# Altium PCB CameraControler0.3.PcbDoc (part 2 of 2)
Units mil, origin at the board's own origin, x right, y up, seen from the top; angles counter-clockwise.
Board outline 5511.81 x 4409.45 mil, 2 copper layers (Top Layer, Bottom Layer); 294 components, 222 nets, 919 pads, 79 vias.
Unrouted connection lines stored in the file: 495.
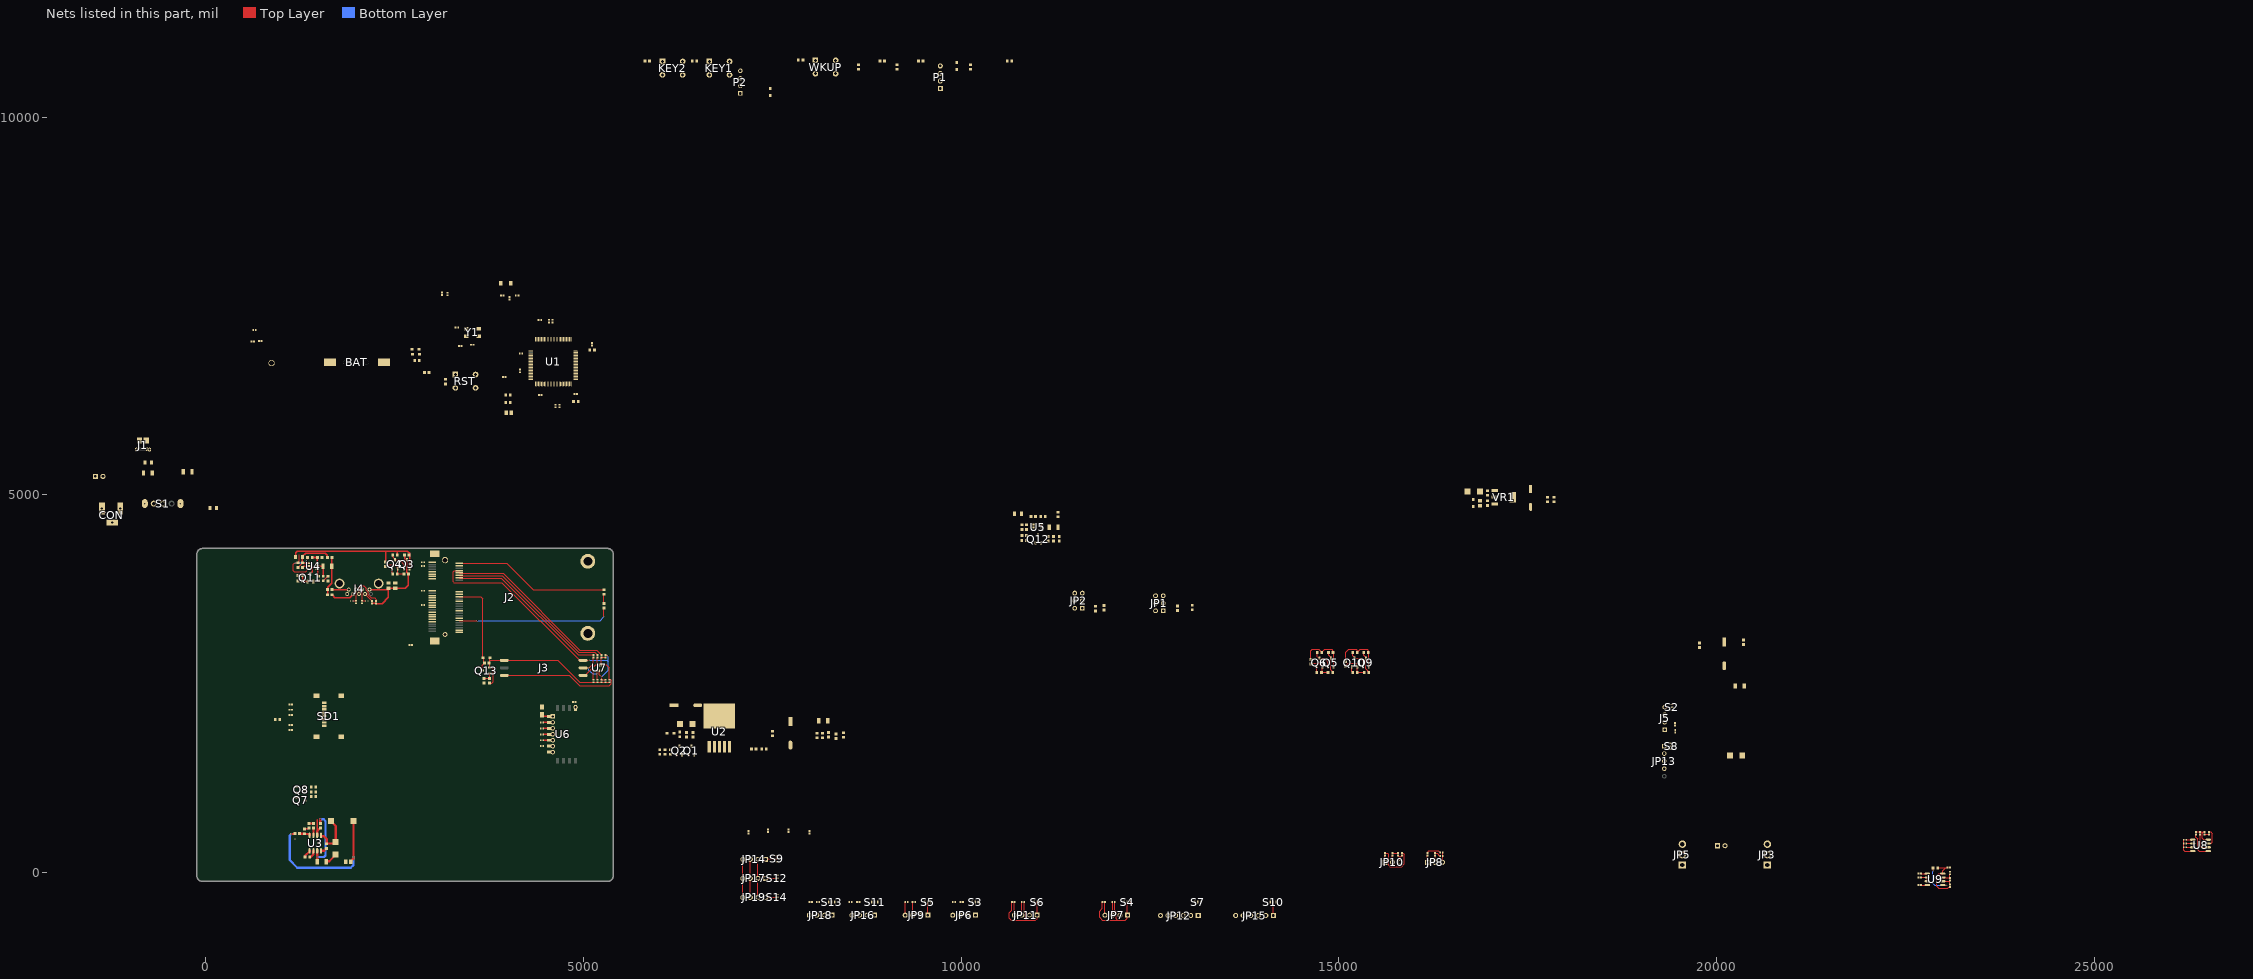
[diagram p2: the nets of this part, all layers, seen from the top]

## Part data
C1 C7 C9 C18 C19 C20 C24 C26 C31 C40 C43 C45 C53: library part "Cap 0603 100nF (104) 10% 50V", "贴片电容", Package=0603, SuppliersPartNumber=C14663, ComponentLink1Description=供应商链接, ComponentLink1URL=http://www.szlcsc.com/product/details_15331.html, Supplier=LC
C2 C5 C16 C17: library part "Cap 0402 22pF (220) 5% 50V", "贴片电容", Package=0402, SuppliersPartNumber=C1555, ComponentLink1Description=供应商链接, ComponentLink1URL=http://www.szlcsc.com/product/details_1907.html, Supplier=LC
C3 C4: library part "Cap 0603 2.2uF (225) 10% 16V", "贴片电容", Package=0603, SuppliersPartNumber=C23630, ComponentLink1Description=供应商链接, ComponentLink1URL=http://www.szlcsc.com/product/details_24366.html, Supplier=LC
C6 C10 C11 C12 C13 C14 C15 C50 C54: library part "Cap 0402 100nF (104) 10% 16V", "贴片电容", Package=0402, SuppliersPartNumber=C1525, ComponentLink1URL=http://www.szlcsc.com/product/details_1877.html, Supplier=LC
  C6 C10 C11 C12 C13 C14 C15: ComponentLink1Description=供应商链接
  C50 C54: ComponentLink1Description=供应商
C8 C22 C51: library part "Cap 0805 10uF (106) 10% 25V", "贴片电容", Package=0805, SuppliersPartNumber=C15850, ComponentLink1Description=供应商链接, ComponentLink1URL=http://www.szlcsc.com/product/details_16532.html, Supplier=LC
C21: library part "Cap+ CT6.3*5.4 220uF/16V", "电解电容"
C23 C25 C34: library part "Cap+ CT8*10.2 470uF/16V", "电解电容"
C27: library part "Cap 0603 10pF (100) 5% 50V", "贴片电容", Package=0603, SuppliersPartNumber=C1634, ComponentLink1Description=供应商链接, ComponentLink1URL=http://www.szlcsc.com/product/details_1986.html, Supplier=LC
C28: library part "Cap 0603 33pF (330) 5% 50V", "贴片电容", Package=0603, SuppliersPartNumber=C1663, ComponentLink1Description=供应商链接, ComponentLink1URL=http://www.szlcsc.com/product/details_2015.html, Supplier=LC
C29 C30 C32 C36 C38 C41: library part "Cap 0603 1uF (105) 10% 50V", "贴片电容", Package=0603, SuppliersPartNumber=C15849, ComponentLink1Description=供应商链接, ComponentLink1URL=http://www.szlcsc.com/product/details_16531.html, Supplier=LC
C33: library part "Cap 1206 10uF (106) 10% 50V", "贴片电容", Package=1206, SuppliersPartNumber=C13585, ComponentLink1Description=供应商链接, ComponentLink1URL=http://www.szlcsc.com/product/details_14236.html, Supplier=LC
C35: library part "Cap 0805 22uF (226) 20% 25V", "贴片电容", Package=0805, SuppliersPartNumber=C45783, ComponentLink1Description=供应商链接, ComponentLink1URL=http://www.szlcsc.com/product/details_46786.html, Supplier=LC
C37: library part "Cap 0603 220pF (221) 10% 50V", "贴片电容", Package=0603, SuppliersPartNumber=C1603, ComponentLink1Description=供应商链接, ComponentLink1URL=http://www.szlcsc.com/product/details_1955.html, Supplier=LC
C39 C42: library part "Cap 0603 1nF (102) 10% 50V", "贴片电容", Package=0603, SuppliersPartNumber=C1588, ComponentLink1Description=供应商链接, ComponentLink1URL=http://www.szlcsc.com/product/details_1940.html, Supplier=LC
C44: library part "3216 10uF (106) 10% 16V", "钽电容", Package=3216, SuppliersPartNumber=C7171, ComponentLink1Description=供应商链接, ComponentLink1URL=http://www.szlcsc.com/product/details_7643.html, Supplier=LC
C46 C47 C48 C49: library part "Cap 0402 33pF (330) 5% 50V", "贴片电容", Package=0402, SuppliersPartNumber=C1562, ComponentLink1Description=供应商链接, ComponentLink1URL=http://www.szlcsc.com/product/details_1914.html, Supplier=LC
C52: library part "Cap 0805 100nF(104) 10% 50V", "贴片电容", Package=0805, SuppliersPartNumber=C49678, ComponentLink1Description=供应商链接, ComponentLink1URL=http://www.szlcsc.com/product/details_50686.html, Supplier=LC
CON: library part PWR-DC, "低压电源接口", BOM名称=DC电源接口, 学习资源=www.ooocke.com, 版权归属=源创客
D1 D2 D3 D4: library part "DIO SOD-323 1N4148WS T4", "二极管", Package=SOD-323, SuppliersPartNumber=C2128, ComponentLink1Description=供应商链接, ComponentLink1URL=http://www.szlcsc.com/product/details_2485.html, Supplier=LC
D5 D7 D10: library part "SMA(DO-214AC) B350A", "Schottky Diodes", Package=SMA(DO-214AC), ComponentLink1Description=供应商链接, ComponentLink1URL=http://www.szlcsc.com/product/details_2841.html
D6 D9: library part "SOD-323 SD24C", "TVS; ESD 抑制器/TVS 二极管", Package=SMB/DO-214AA, SuppliersPartNumber=C78395, ComponentLink1Description=供应商链接, ComponentLink1URL=http://www.szlcsc.com/product/details_79530.html, Supplier=LC
D11: library part "SMA(DO-214AC) SS34", "SMA(DO-214AC) SS34, D Schottky"
D13: library part "SOD-323 LESD3Z5.0T1G", "TVS/ESD, SOD-323, 5V", Package=SMB/DO-214AA, SuppliersPartNumber=C78395, ComponentLink1Description=供应商链接, ComponentLink1URL=http://www.szlcsc.com/product/details_79530.html, Supplier=LC
D14 D15: library part "SOD-923 ESD9L5.0ST5G", "Transient Voltage Suppressor, ESD Protection Diode with Ultra-Low Capacitance, 2-Pin SOD-923, Pb-Free, Tape and Reel, CMP-1063-00114-1", Manufacturer="On Semiconductor", C Max (pF)=0.9, ComponentLink1Description="Manufacturer URL", ComponentLink1URL=http://www.onsemi.com/, ComponentLink2Description=Datasheet, ComponentLink2URL=http://www.onsemi.cn/pub_link/Collateral/ESD9L-D.PDF, ComponentLink3Description="Package Specification", ComponentLink3URL=http://www.onsemi.com/pub_link/Collateral/514AB.PDF, DatasheetVersion="Rev. 5", Direction=Unidirectional, IR Max (uA)=1, Mounting Technology="Surface Mount", Number of Lines=1, PackageDescription="2-Pin SOD, Body 0.8 x 0.6 mm", PackageReference=SOD-923-2-514AB-01, PackageVersion="Rev. C, 03/2011", Packing="Tape and Reel", PartNumber=ESD9L5.0ST5G, RoHS=Pb-Free, V(BR) Min (V)=5.4, VRWM Max (V)=5
F1 F4 F5: library part "FU PPTC MSMD 5V 2A", "自恢复保险丝", BOM名称=贴片保险丝, 学习资源=www.ooocke.com, 版权归属=源创客
F3: library part "FU PPTC MSMD 5V 3A", "自恢复保险丝", BOM名称=贴片保险丝, 学习资源=www.ooocke.com, 版权归属=源创客
J1: library part "MicroUSB MOLX-47589-0001", "Right Angle Female Type AB Micro USB Connector, 30 V, 1.8 A, -30 to 85 degC, RoHS, Tape and Reel", Contact Resistance=30mOhm, Manufacturer="Wurth Elektronik", Operating Temperature=-40to85degC, Package Reference=629105150921, Rated Current=1.8A, Working Voltage=30VAC, Connector Type=MicroUSB2.0TypeAB, Datasheet URL=https://katalog.we-online.de/em/datasheet/629105150921.pdf, Gender=Receptacle, Manufacturer URL=http://www.we-online.de, Mounting Technology=SMT, Orientation=Horizontal, Packaging=TapeandReel, Part Number=629105150921, Publisher=WurthElektronik
J2: library part PCIE-Mini, "Female Header, Pitch 0.8 mm, 2 x 26 Position, Height 9.9 mm, -40 to 85 degC, RoHS, Tape and Reel, CMP-2000-05614-1, 48338-0099", Manufacturer=Molex, Package Description="52-Pin Surface Mount Device, Body 30 x 9.3 mm, Pitch 0.8 mm", Package Reference=48338-0099, =0483380099, Brand=Molex, Contact Material=CopperAlloy, Contact Plating=Gold, Datasheet URL=http://www.molex.com/pdm_docs/sd/483380099_sd.pdf, Datasheet Version="Rev. F, 06/2009", Factory Pack Quantity=300, Housing Material=Thermoplastic, Manufacturer URL=http://www.molex.com/, Mounting Angle=Right, Mounting Style=SMD/SMT, Mounting Technology=SurfaceMount, Number of Positions=52, Number of Positions / Contacts=52, Packaging=Reel, Product Category=PCIExpress/PCIConnectors, Product Type=MiniPCI, RoHS=Details, Series=48338
J3: library part "SIM Card MUP", "MUP, 6P", Manufacturer="Wurth Elektronik", Operating Temperature=-25to85degC, Package Reference=693010020611, Rated Current=0.5A, Withstanding Voltage=500VAC, Working Voltage=50VAC, Datasheet URL=https://katalog.we-online.de/em/datasheet/693010020611.pdf, Manufacturer URL=http://www.we-online.de, Mounting Technology=SMT, Packaging=TapeandReel, Part Number=693010020611, Publisher=WurthElektronik, Taobao=https://item.taobao.com/item.htm?spm=a230r.1.14.37.7dfabe7eHV2uMn&id=550214241835&ns=1&abbucket=6#detail
J4: library part "USB 3.0 Type A", "USB 3.0 Type A Receptacle WR-COM, Horizontal, THT", Contact Resistance=50mOhm, Manufacturer="Wurth Elektronik", Operating Temperature=-20to85degC, Package Reference=692121030100, Rated Current=0.25A, Working Voltage=30VAC, Connector Type=USB3.0TypeA, Datasheet URL=https://katalog.we-online.de/em/datasheet/692121030100.pdf, Gender=Receptacle, Manufacturer URL=http://www.we-online.de, Mounting Technology=THT, Orientation=Horizontal, Packaging=TapeandReel, Part Number=692121030100, Publisher=WurthElektronik
J5: library part "HDR-4P OLED 0.91", "Header, 4-Pin", LatestRevisionDate=17-Jul-2002, LatestRevisionNote="Re-released for DXP Platform.", Publisher="Altium Limited"
JP1 JP2: library part "Header HDR-2X3", "3*2P接插件", BOM名称=3*2P接插件, 学习资源=www.ooocke.com, 版权归属=源创客
JP3 JP5 JP8 JP10: library part "Header HDR-1X3", "3P接插件", BOM名称=3P接插件, 学习资源=www.ooocke.com, 版权归属=源创客
JP4 JP20: library part "Header XH-2.56-2P", "Male Header, Pitch 2.5 mm, 1 x 2 Position, Height 7 mm, Tail Length 3.4 mm, -25 to 85 degC, RoHS, Bulk", Manufacturer=JST, Package Description="Male Header, Pitch 2.5 mm, 1 x 2 Position, Height 7 mm, Tail Length 3.4 mm", Package Reference=B2B-XH-A, Datasheet URL=http://www.jst-mfg.com/product/pdf/eng/eXH.pdf, Datasheet Version=05/2016, Manufacturer URL=http://www.jst.com/home2.html, Mounting Technology=ThroughHole, No of Positions=2, Pitch=2.5mm, Style/Orientation=StraightHeader/Plug, Termination=Crimp, Type=ShroudedHeader
JP6 JP7 JP9 JP11 JP14 JP16 JP17 JP18 JP19 P1: library part "Header XH-2.56-4P", "Male Header, Pitch 2.5 mm, 1 x 4 Position, Height 7 mm, Tail Length 8.4 mm, -25 to 85 degC, RoHS, Bulk", Manufacturer=JST, Package Description="Male Header, Pitch 2.5 mm, 1 x 2 Position, Height 7 mm, Tail Length 3.4 mm", Package Reference=B2B-XH-A, Datasheet URL=http://www.jst-mfg.com/product/pdf/eng/eXH.pdf, Datasheet Version=05/2016, Manufacturer URL=http://www.jst.com/home2.html, Mounting Technology=ThroughHole, No of Positions=2, Pitch=2.5mm, Style/Orientation=StraightHeader/Plug, Termination=Crimp, Type=ShroudedHeader
JP12 JP15: library part "Header XH-2.56-6P", "Male Header, Pitch 2.5 mm, 1 x 4 Position, Height 7 mm, Tail Length 8.4 mm, -25 to 85 degC, RoHS, Bulk", Manufacturer=JST, Package Description="Male Header, Pitch 2.5 mm, 1 x 2 Position, Height 7 mm, Tail Length 3.4 mm", Package Reference=B2B-XH-A, Datasheet URL=http://www.jst-mfg.com/product/pdf/eng/eXH.pdf, Datasheet Version=05/2016, Manufacturer URL=http://www.jst.com/home2.html, Mounting Technology=ThroughHole, No of Positions=2, Pitch=2.5mm, Style/Orientation=StraightHeader/Plug, Termination=Crimp, Type=ShroudedHeader
JP13: "Header, 5-Pin", LatestRevisionDate=17-Jul-2002, LatestRevisionNote="Re-released for DXP Platform.", Publisher="Altium Limited"
KEY1 KEY2 RST WKUP: library part KEY_M
L1: library part "IUD CDRH74 10uH", "IUD CDRH74 10uH"
LED1: library part "LED 0603 绿灯", "发光二极管", Package=0603, SuppliersPartNumber=C72043, ComponentLink1Description=供应商链接, ComponentLink1URL=http://www.szlcsc.com/product/details_73152.html, Supplier=LC
LED2 LED11 LED12 LED13 LED14 LED15 LED16: library part "LED 0603 黄灯", "发光二极管", Package=0603, SuppliersPartNumber=C72038, ComponentLink1Description=供应商链接, ComponentLink1URL=http://www.szlcsc.com/product/details_73147.html, Supplier=LC
LED3 LED10: library part "LED 0603 蓝灯", "发光二极管", Package=0603, SuppliersPartNumber=C72041, ComponentLink1Description=供应商链接, ComponentLink1URL=http://www.szlcsc.com/product/details_73150.html, Supplier=LC
LED18: library part "LED 0603 红灯", "发光二极管", Package=0603, SuppliersPartNumber=C2286, ComponentLink1Description=供应商链接, ComponentLink1URL=http://www.szlcsc.com/product/details_2659.html, Supplier=LC
P2: library part "HAR-4P UART", "Header, 4-Pin", LatestRevisionDate=17-Jul-2002, LatestRevisionNote="Re-released for DXP Platform.", Publisher="Altium Limited"
Q1 Q2 Q4 Q6 Q7 Q8 Q10: library part "NMOS SOT-23 AO3400A X0YV1T", "MOS(场效应管) NMOS", Package=SOT-23, SuppliersPartNumber=C20917, ComponentLink1Description=供应商链接, ComponentLink1URL=http://www.szlcsc.com/product/details_21629.html, Supplier=LC
Q3 Q5 Q9: library part "PMOS SOT-23 AO3401A X13A15", "MOS(场效应管) PMOS", Package=SOT-23, SuppliersPartNumber=C15127, ComponentLink1Description=供应商链接, ComponentLink1URL=http://www.szlcsc.com/product/details_15801.html, Supplier=LC
Q11 Q12: library part "NPN SOT-23 SS8050 Y1", "NPN 三极管", Package=SOT-23, SuppliersPartNumber=C2150, ComponentLink1Description=供应商链接, ComponentLink1URL=http://www.szlcsc.com/product/details_2507.html, Supplier=LC
Q13: library part "SOT-23 SS8050 Y1", "三极管", Package=SOT-23, SuppliersPartNumber=C2150, ComponentLink1Description=供应商链接, ComponentLink1URL=http://www.szlcsc.com/product/details_2507.html, Supplier=LC
R1 R4 R5 R15 R16 R100 R101 R103 R104 R106 R107 R108 R109 R127 R128 R129 R130 R131 R132 R133 R134 R135: library part "Res 0402 0Ω (0R0) 1%", "贴片电阻", Package=0402, SuppliersPartNumber=C17168, ComponentLink1URL=http://www.szlcsc.com/product/details_17853.html, Supplier=LC
  R1 R4 R5 R15 R16 R127 R128 R129 R130 R131 R133 R134: ComponentLink1Description=供应商链接
  R100 R101 R103 R104 R106 R107 R108 R109 R132 R135: ComponentLink1Description=供应商
R2 R36 R46 R50 R60: library part "Res 0603 10KΩ (1002) 1%", "贴片电阻", Package=0603, SuppliersPartNumber=C25804, ComponentLink1Description=供应商链接, ComponentLink1URL=http://www.szlcsc.com/product/details_26547.html, Supplier=LC
R3 R11: library part "Res 0402 1MΩ (1004) 1%", "贴片电阻", Package=0402, SuppliersPartNumber=C26083, ComponentLink1Description=供应商链接, ComponentLink1URL=http://www.szlcsc.com/product/details_26826.html, Supplier=LC
R6: library part "Res 0603 10Ω (10R0) 1%", "贴片电阻", Package=0603, SuppliersPartNumber=C22859, ComponentLink1Description=供应商链接, ComponentLink1URL=http://www.szlcsc.com/product/details_23586.html, Supplier=LC
R7 R8 R9 R10 R75 R84 R85 R86 R87 R122 R125: library part "Res 0402 10KΩ (1002) 1%", "贴片电阻", Package=0402, SuppliersPartNumber=C25744, ComponentLink1URL=http://www.szlcsc.com/product/details_26487.html, Supplier=LC
  R7 R8 R9 R10 R75 R84 R125: ComponentLink1Description=供应商链接
  R85 R86 R87 R122: ComponentLink1Description=供应商
R12 R13 R14 R17 R18 R19 R27 R43 R54 R61 R63 R67 R69 R70 R72 R73 R74 R126: library part "Res 0603 4.7KΩ (4701) 1%", "贴片电阻", Package=0603, SuppliersPartNumber=C23162, ComponentLink1Description=供应商链接, ComponentLink1URL=http://www.szlcsc.com/product/details_23889.html, Supplier=LC
R20 R21 R22 R23 R24: library part "Res 0402 47KΩ (4702) 1%", "贴片电阻", Package=0402, SuppliersPartNumber=C25792, ComponentLink1Description=供应商, ComponentLink1URL=http://www.szlcsc.com/product/details_26535.html, Supplier=LC
R25 R26 R28 R41 R57 R65: library part "Res 1206 0Ω (0R0) 1%", "贴片电阻", Package=1206, SuppliersPartNumber=C17888, ComponentLink1Description=供应商链接, ComponentLink1URL=http://www.szlcsc.com/product/details_18576.html, Supplier=LC
R29 R58 R66: library part "Res 0603 51KΩ (5102) 1%", "贴片电阻", Package=0603, SuppliersPartNumber=C23196, ComponentLink1Description=供应商链接, ComponentLink1URL=http://www.szlcsc.com/product/details_23923.html, Supplier=LC
R30: library part "Res 0603 82KΩ (8202) 1%", "贴片电阻", Package=0603, SuppliersPartNumber=C25981, ComponentLink1Description=供应商链接, ComponentLink1URL=http://www.szlcsc.com/product/details_26724.html, Supplier=LC
R31: library part "Res 0603 470Ω (4700) 1%", "贴片电阻", Package=0603, SuppliersPartNumber=C23179, ComponentLink1Description=供应商链接, ComponentLink1URL=http://www.szlcsc.com/product/details_23906.html, Supplier=LC
R32 R35 R38 R39 R42 R45 R49 R52 R55 R59 R62 R68: library part "Res 0603 100KΩ (1003) 1%", "贴片电阻", Package=0603, SuppliersPartNumber=C25803, ComponentLink1Description=供应商链接, ComponentLink1URL=http://www.szlcsc.com/product/details_26546.html, Supplier=LC
R33 R64 R71: library part "Res 0603 47KΩ (4702) 1%", "贴片电阻", Package=0603, SuppliersPartNumber=C25819, ComponentLink1Description=供应商链接, ComponentLink1URL=http://www.szlcsc.com/product/details_26562.html, Supplier=LC
R34 R37 R44 R48 R56 R88 R89 R136 R137: library part "Res 0603 0Ω (0R0) 1%", "贴片电阻", Package=0603, SuppliersPartNumber=C21189, ComponentLink1Description=供应商链接, ComponentLink1URL=http://www.szlcsc.com/product/details_21903.html, Supplier=LC
R40: library part "Res 0603 124KΩ 1%", "贴片电阻", Package=0603, SuppliersPartNumber=C22975, ComponentLink1Description=供应商链接, ComponentLink1URL=http://www.szlcsc.com/product/details_23702.html, Supplier=LC
R47: library part "Res 0603 40.2KΩ 1%", "贴片电阻", Package=0603, SuppliersPartNumber=C22975, ComponentLink1Description=供应商链接, ComponentLink1URL=http://www.szlcsc.com/product/details_23702.html, Supplier=LC
R51: library part "Res 0603 200KΩ (2003) 1%", "贴片电阻", Package=0603, SuppliersPartNumber=C25811, ComponentLink1Description=供应商链接, ComponentLink1URL=http://www.szlcsc.com/product/details_26554.html, Supplier=LC
R53: library part "Res 0603 68.1KΩ 1%", "贴片电阻", Package=0603, SuppliersPartNumber=C22975, ComponentLink1Description=供应商链接, ComponentLink1URL=http://www.szlcsc.com/product/details_23702.html, Supplier=LC
R76: library part "Res 0402 15KΩ (1502) 1%", "贴片电阻", Package=0402, SuppliersPartNumber=C25756, ComponentLink1Description=供应商链接, ComponentLink1URL=http://www.szlcsc.com/product/details_26499.html, Supplier=LC
R77 R78 R79 R80 R81 R82 R83 R91 R93 R95 R96 R97 R102 R105 R112 R113 R115 R117 R118 R119 R120 R121: library part "Res 0402 22Ω (22R0) 1%", "贴片电阻", Package=0402, SuppliersPartNumber=C25092, ComponentLink1Description=供应商链接, ComponentLink1URL=http://www.szlcsc.com/product/details_25835.html, Supplier=LC
R90 R92: library part "Res 0402 360Ω (3600) 1%", "贴片电阻", Package=0402, SuppliersPartNumber=C25079, ComponentLink1Description=供应商, ComponentLink1URL=http://www.szlcsc.com/product/details_25822.html, Supplier=LC
R94: library part "Res 0402 120Ω (1200) 1%", "贴片电阻", Package=0402, SuppliersPartNumber=C25079, ComponentLink1Description=供应商, ComponentLink1URL=http://www.szlcsc.com/product/details_25822.html, Supplier=LC
R98 R99 R110 R111 R114 R116 R123 R124: library part "Res 0402 4.7KΩ (4701) 1%", "贴片电阻", Package=0402, SuppliersPartNumber=C25900, ComponentLink1Description=供应商, ComponentLink1URL=http://www.szlcsc.com/product/details_26643.html, Supplier=LC
S1: library part "SW SSW-1P_2", "1路波动开关", BOM名称=波动开关, 学习资源=www.ooocke.com, 版权归属=源创客
S2 S3 S4 S5 S6 S7 S8 S9 S10 S11 S12 S13 S14: library part "SW SPOT_SW-1P", "1路开关", BOM名称=波动开关, 学习资源=www.ooocke.com, 版权归属=源创客
SD1: library part MicroSD_Card, "MicroSD Card Connector, Hinge Type, -40 to 85 degC, 8-Pin SMD, RoHS, Tape and Reel, CMP-2000-05245-1", Current Rating=500mA, Manufacturer=Molex, Voltage Rating=100VDC, =0472192001, Brand=Molex, Card Type=microSD, Contact Material=CopperAlloy, Datasheet URL=http://www.molex.com/pdm_docs/sd/472192001_sd.pdf, Datasheet Version="Rev. F, 06/2009", Factory Pack Quantity=2400, Housing Material=Thermoplastic, Insertion - Extraction Style=Hinged, Manufacturer URL=http://www.molex.com/, Mounting Style=SMD/SMT, Number of Contacts=8, Packaging=Reel, Pitch=1.09mm, Product=CardConnectors, Product Category=MemoryCardConnectors, RoHS=Details, Series=47219, Termination Style=SMD
TPH: library part TPH5011, "Test Point, Black, Through Hole, RoHS, Bulk, CMP-1672-00003-4, 5011", Colour=Black, Manufacturer=Keystone, Package Quantity=100, ComponentLink1Description="Manufacturer URL", ComponentLink1URL=http://www.keyelco.com/, ComponentLink2Description=Datasheet, ComponentLink2URL=http://www.keyelco.com/product-pdf.cfm?p=1320, Contact Material=Bronze, Contact Plating=Silver, DatasheetVersion="Rev. F, 12/2013", Height="8.12 mm", Mount="Through Hole", Mounting Technology="Through Hole", PackageDescription="1-Pin Through Hole Device, Dia 3.17 mm", PackageReference=5011, Packaging=Bulk, Pins=1, REACH SVHC="No SVHC", RoHSCompliant=true
U1: "ARM", Package=LQFP-100_14x14x05P, SuppliersPartNumber=C12345, ComponentLink1Description=供应商链接, ComponentLink1URL=http://www.szlcsc.com/product/details_12968.html, Supplier=LC
U2: "3A"
U3: "DC-DC电源芯片"
U4 U5: "Integrated Load Switch, 3 to 20 V, -55 to 150 degC, 6-Pin SOT23, RoHS, Tape and Reel, CMP-2000-04940-1", Continuous Drain Current Id=2.3A, Current Limit=2.5A, Distribution Switch Case Style=SSOT, Drain Source Voltage Vds=20V, Load Pulsed Current=10A, Manufacturer=Fairchild, On Resistance Rds(on)=0.08ohm, On State Resistance=0.054ohm, Operating Temperature Max=150degC, Operating Temperature Min=-55degC, Operating Temperature Range=-55degCto+150degC, Package / Case=SuperSOT-6, Package Description="6-Pin Small Outline Transistor, Body 2.9 x 1.6 mm, Pitch 0.95 mm", Package Reference=SOT23-6, Package Version="Rev. 5, 05/2015", Power Dissipation Pd=0.7W, Power Load Switch Type=HighSide, Voltage Drop @ Vin 12V=0.2V, Voltage In Min=3V, Voltage Off=8V, Cont Load Current=2.3A, Datasheet URL=https://datasheet.ciiva.com/1572/276121-1572006.pdf, Datasheet Version="Rev. C, 02/1999", Input Voltage=20V, Input Voltage Max=20V, Internal Switch=Yes, Manufacturer URL=https://www.fairchildsemi.com/, No. of Outputs=1, No. of Pins=6, No. of Transistors=2, On / Enable Input Polarity=ActiveHigh, Output Current Max=10A, Package URL=https://www.fairchildsemi.com/package-drawings/MA/MA06A.pdf, Power Dissipation Ptot Max=0.7W, Protection Type=Yes, Pulse Current Idm=10A, SMD Marking=3544916, SVHC=NoSVHC(19-Dec-2012), Thermal Protection=Yes, Transistor Polarity=NandPComplement, Transistor Type=MOSFET, Uni / Bi Directional Polarity=NP, Voltage In Max=20V